# Altium PCB Cart.PcbDoc
Units mil, origin at the board's own origin, x right, y up, seen from the top; angles counter-clockwise.
Board outline 5725 x 3460 mil, 2 copper layers (Top Layer, Bottom Layer); 14 components, 33 nets, 141 pads, 22 vias.
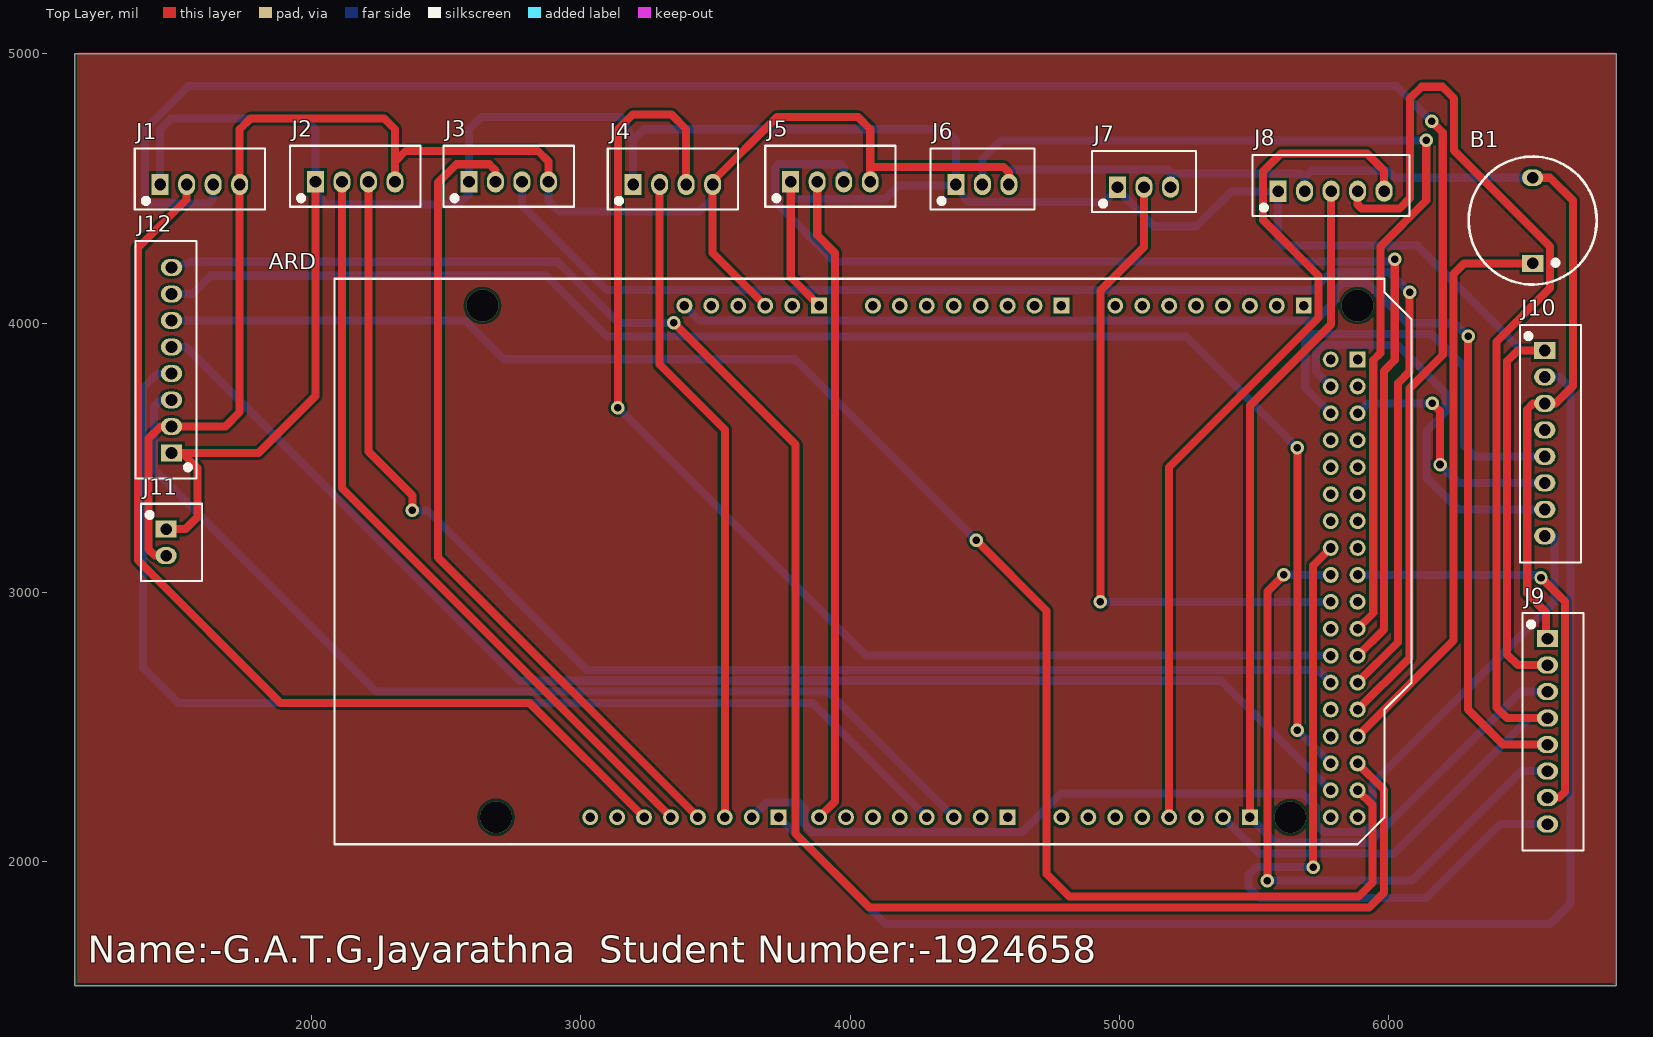
[diagram p0: Top Layer view]
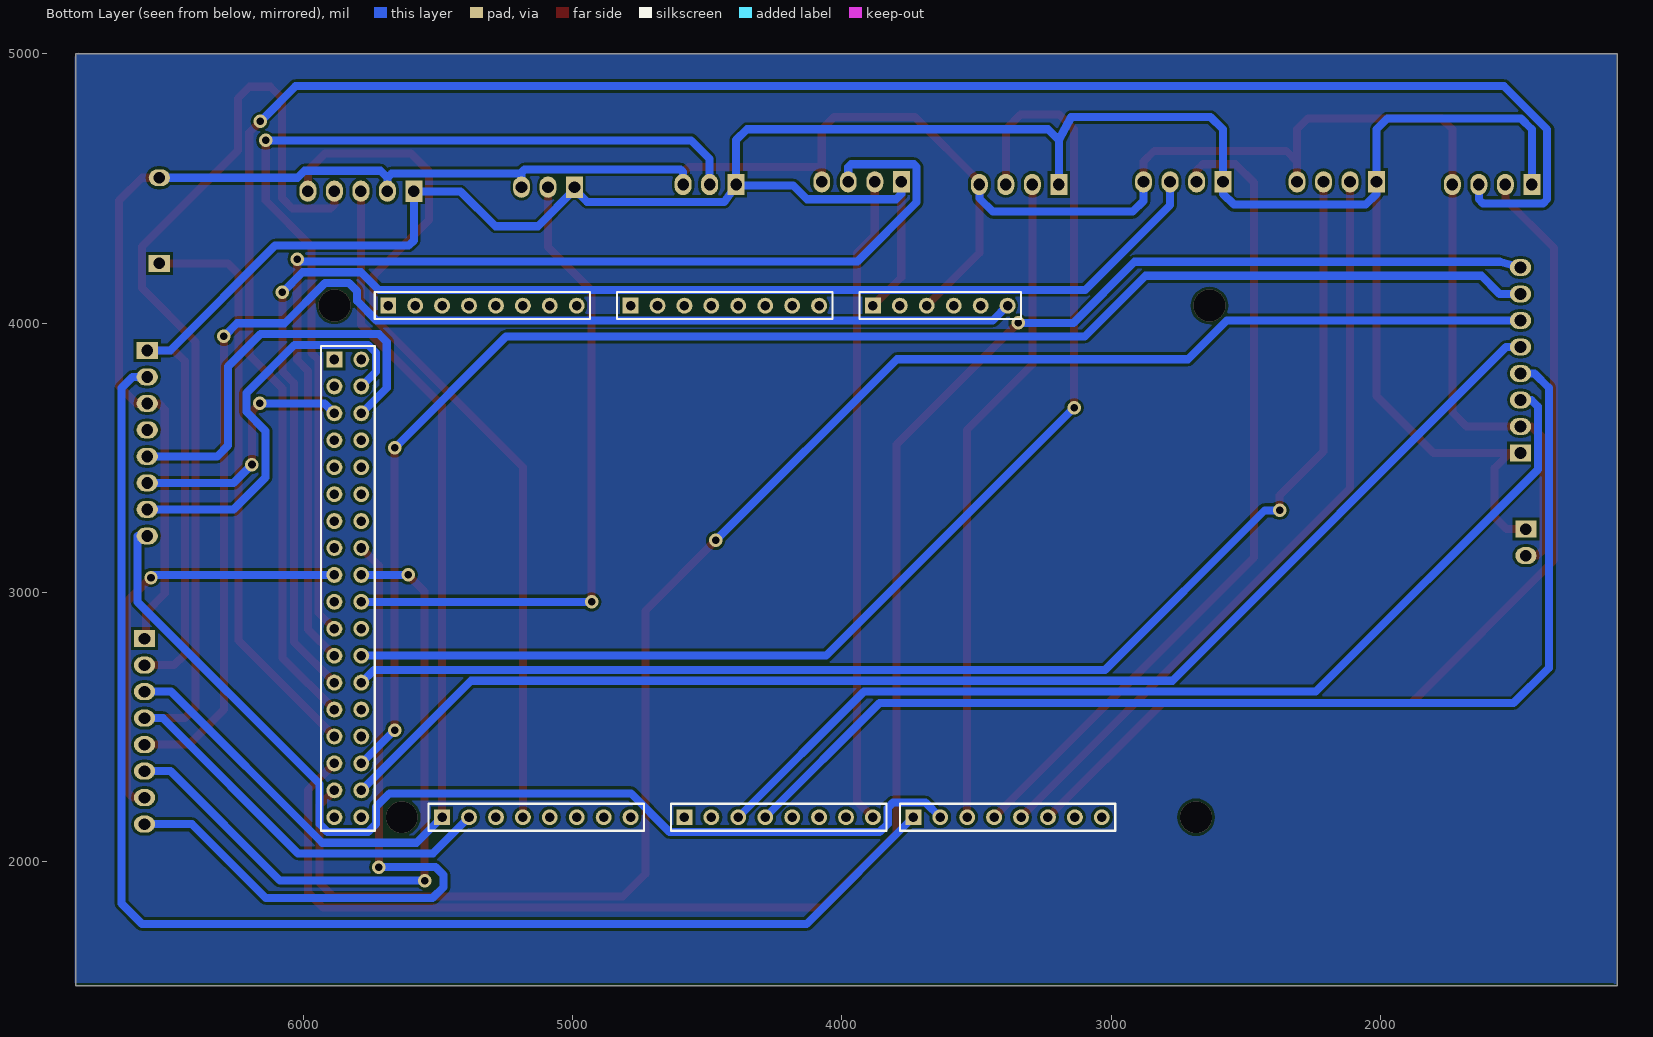
[diagram p1: Bottom Layer view, seen from below]

## Layer stack, top to bottom
Top Solder: solder mask 0.4, Solder Resist, Dk 3.5
Top Layer: signal copper 1.4
Dielectric 1: dielectric 12.6, FR-4, Dk 4.8
Bottom Layer: signal copper 1.4
Bottom Solder: solder mask 0.4, Solder Resist, Dk 3.5

## Board outline
1120,1540 6845,1540 6845,5000 1120,5000

## Design rules (kind name [scope] priority, off if disabled: settings)
Clearance [All] p1: gap=10 ignorepadtopadclearanceinfootprint=FALSE except(0: Arc-Hole Track-Hole SMDPad-Hole THPad-Hole Via-Hole Fill-Hole Poly-Hole Region-Hole Text-Hole)
PolygonConnect [All] p1: connectstyle=Relief reliefconductorwidth=10 reliefentries=4 polygonreliefangle="90 Angle" airgapwidth=10
RoutingVias [All] p1: holewidth=28 width=50 viastyle="Through Hole" minholewidth=28 minwidth=50 maxholewidth=28 maxwidth=50
SolderMaskExpansion [All] p1: expansion=4
Width [All] p1: maxlimit=30 minlimit=10 preferedwidth=30
30 further rules are at their usual default settings.

## Components (designator, comment, footprint, x,y, rotation, side; value= is the part's Value field where it differs from the comment)
ARD "Arduino" Arduino 3985,3065 r180 top
B1 "BUZZER" "new buzzer" 6535,4222.09 r180 top
J1 "US1" JST4 1438.15,4515 r90 top
J2 "US2" JST4 2014.72,4525 r90 top
J3 "US3" JST4 2584.72,4525 r90 top
J4 "US4" JST4 3194.72,4515 r90 top
J5 "US5" JST4 3779.72,4525 r90 top
J6 "PIR1" JST3 4393.15,4515 r90 top
J7 "PIR2" JST3 4993.15,4505 r90 top
J8 "Gyro" JST5 5589.72,4490 r90 top
J9 "OLED" JST8 6590,2828.43 r0 top
J10 "RFID" JST8 6580,3898.7 r0 top
J11 "Battery" JST2 1460,3235 r0 top
J12 "MotorDr" JST8 1480,3517.87 r180 top

## Footprints (in the part's own frame and the unit in brackets; to place one, negate y for a bottom-side part, rotate by r counter-clockwise, add the part's x,y. Pads: shape width x height; smd on the part's side, far side on the other; paste and mask are expansions set on the pad)
Arduino [mm] "Arduino Mega 2560"
  rect 1.5x1.5 hole 0.9: 0(-15.24,22.86) 8(6.35,22.86) 21(-38.1,22.86) 59(2.54,-25.4) 67(-20.32,-25.4) 75(-43.18,-25.4) 79(-48.26,-20.32)
  round 1.5 hole 0.9: 1(-12.7,22.86) 2(-10.16,22.86) 3(-7.62,22.86) 4(-5.08,22.86) 5(-2.54,22.86) 6(0,22.86) 7(2.54,22.86) 9(8.89,22.86) 10(11.43,22.86) 11(13.97,22.86) 12(16.51,22.86) 13(19.05,22.86) 14(-20.32,22.86) 15(-22.86,22.86) 16(-25.4,22.86) 17(-27.94,22.86) 18(-30.48,22.86) 19(-33.02,22.86) 20(-35.56,22.86) 22(-45.72,20.32) 23(-48.26,20.32) 24(-45.72,17.78) 25(-48.26,17.78) 26(-45.72,15.24) 27(-48.26,15.24) 28(-45.72,12.7) 29(-48.26,12.7) 30(-45.72,10.16) 31(-48.26,10.16) 32(-45.72,7.62) 33(-48.26,7.62) 34(-45.72,5.08) 35(-48.26,5.08) 36(-45.72,2.54) 37(-48.26,2.54) 38(-45.72,0) 39(-48.26,0) 40(-45.72,-2.54) 41(-48.26,-2.54) 42(-45.72,-5.08) 43(-48.26,-5.08) 44(-45.72,-7.62) 45(-48.26,-7.62) 46(-45.72,-10.16) 47(-48.26,-10.16) 48(-45.72,-12.7) 49(-48.26,-12.7) 50(-45.72,-15.24) 51(-48.26,-15.24) 52(-45.72,-17.78) 53(-48.26,-17.78) 54(15.24,-25.4) 55(12.7,-25.4) 56(10.16,-25.4) 57(7.62,-25.4) 58(5.08,-25.4) 60(-2.54,-25.4) 61(-5.08,-25.4) 62(-7.62,-25.4) 63(-10.16,-25.4) 64(-12.7,-25.4) 65(-15.24,-25.4) 66(-17.78,-25.4) 68(-25.4,-25.4) 69(-27.94,-25.4) 70(-30.48,-25.4) 71(-33.02,-25.4) 72(-35.56,-25.4) 73(-38.1,-25.4) 74(-40.64,-25.4) 76(21.59,22.86) 77(24.13,22.86) 78(-45.72,-20.32) 80(-48.26,22.86) 81(-45.72,22.86)
  silkscreen extent -53.34,-27.94 48.26,25.4, body extent -53.34,-27.94 54.72,25.4, height 12.71
JST2 [mm]
  rect 2x1.6 hole 1.1: 1(0,0)
  oval 2x1.6 hole 1.1: 2(0,-2.5)
  silkscreen extent -2.35,-4.9 3.4,2.4, body extent -2.37,-5 3.38,2.4, height 7.5
JST3 [mm]
  rect 2x1.6 hole 1.1: 1(0,0)
  oval 2x1.6 hole 1.1: 2(0,-2.5) 3(0,-5)
  silkscreen extent -2.35,-7.4 3.4,2.4, body extent -2.37,-7.5 3.38,2.4, height 7.5
JST4 [mm]
  rect 2x1.6 hole 1.1: 1(0,0)
  oval 2x1.6 hole 1.1: 2(0,-2.5) 3(0,-5) 4(0,-7.5)
  silkscreen extent -2.35,-9.9 3.4,2.4, body extent -2.37,-10 3.38,2.4, height 7.5
JST5 [mm]
  rect 2x1.6 hole 1.1: 1(0,0)
  oval 2x1.6 hole 1.1: 2(0,-2.5) 3(0,-5) 4(0,-7.5) 5(0,-10)
  silkscreen extent -2.35,-12.4 3.4,2.4, body extent -2.37,-12.5 3.38,2.4, height 7.01
JST8 [mm]
  rect 2x1.6 hole 1.1: 1(0,0)
  oval 2x1.6 hole 1.1: 2(0,-2.5) 3(0,-5) 4(0,-7.5) 5(0,-10) 6(0,-12.5) 7(0,-15) 8(0,-17.5)
  silkscreen extent -2.35,-20 3.4,2.4, body extent -2.38,-19.9 3.38,2.5, height 7.5
"new buzzer" [mm]
  rect 2x1.6 hole 1.1: 1(0,0)
  oval 2x1.6 hole 1.1: 2(0,-8.075)
  silkscreen extent -6.04,-10.07 6.04,2, body extent -5.91,-10 5.94,1.85, height 9.6

## Part data
B1: "JST (JAPAN SOLDERLESS TERMINALS) - B8B-XH-A (LF)(SN) - HEADER, VERTICAL, 8WAY", Manufacturer=JST, Manufacturer Part Number=B8B-XH-A(LF)(SN), Supplier Part Number 1=455-2251-ND, ComponentLink1Description=https://www.verical.com/server-webapp/html/getDatasheet?partID=440408&src-supplier=Verical, ComponentLink1URL=https://www.verical.com/server-webapp/html/getDatasheet?partID=440408&src-supplier=Verical, No of Positions=8, Pitch="2.5 mm", Pricing 1="1=0.36, 10=0.341, 100=0.2387, 500=0.2046, 1000=0.1705, 5000=0.1461, 10000=0.1364 (USD)", Stock 1=29643, Style/Orientation="Straight Header/Plug", Supplier 1=Digi-Key, Termination=Crimp, Type="Shrouded Header"
J1 J2 J3 J4 J5: library part "JST 4 PIN", "JST (JAPAN SOLDERLESS TERMINALS) - B8B-XH-A (LF)(SN) - HEADER, VERTICAL, 8WAY", Manufacturer=JST, Manufacturer Part Number=B8B-XH-A(LF)(SN), Supplier Part Number 1=455-2251-ND, ComponentLink1Description=https://www.verical.com/server-webapp/html/getDatasheet?partID=440408&src-supplier=Verical, ComponentLink1URL=https://www.verical.com/server-webapp/html/getDatasheet?partID=440408&src-supplier=Verical, No of Positions=8, Pitch="2.5 mm", Pricing 1="1=0.36, 10=0.341, 100=0.2387, 500=0.2046, 1000=0.1705, 5000=0.1461, 10000=0.1364 (USD)", Stock 1=29643, Style/Orientation="Straight Header/Plug", Supplier 1=Digi-Key, Termination=Crimp, Type="Shrouded Header"
J6 J7: library part "JST 3 PIN", "JST (JAPAN SOLDERLESS TERMINALS) - B8B-XH-A (LF)(SN) - HEADER, VERTICAL, 8WAY", Manufacturer=JST, Manufacturer Part Number=B8B-XH-A(LF)(SN), Supplier Part Number 1=455-2251-ND, ComponentLink1Description=https://www.verical.com/server-webapp/html/getDatasheet?partID=440408&src-supplier=Verical, ComponentLink1URL=https://www.verical.com/server-webapp/html/getDatasheet?partID=440408&src-supplier=Verical, No of Positions=8, Pitch="2.5 mm", Pricing 1="1=0.36, 10=0.341, 100=0.2387, 500=0.2046, 1000=0.1705, 5000=0.1461, 10000=0.1364 (USD)", Stock 1=29643, Style/Orientation="Straight Header/Plug", Supplier 1=Digi-Key, Termination=Crimp, Type="Shrouded Header"
J8: library part "JST 5 PIN", "JST (JAPAN SOLDERLESS TERMINALS) - B8B-XH-A (LF)(SN) - HEADER, VERTICAL, 8WAY", Manufacturer=JST, Manufacturer Part Number=B8B-XH-A(LF)(SN), Supplier Part Number 1=455-2251-ND, ComponentLink1Description=https://www.verical.com/server-webapp/html/getDatasheet?partID=440408&src-supplier=Verical, ComponentLink1URL=https://www.verical.com/server-webapp/html/getDatasheet?partID=440408&src-supplier=Verical, No of Positions=8, Pitch="2.5 mm", Pricing 1="1=0.36, 10=0.341, 100=0.2387, 500=0.2046, 1000=0.1705, 5000=0.1461, 10000=0.1364 (USD)", Stock 1=29643, Style/Orientation="Straight Header/Plug", Supplier 1=Digi-Key, Termination=Crimp, Type="Shrouded Header"
J9 J10 J12: library part "JST 8 PIN", "JST (JAPAN SOLDERLESS TERMINALS) - B8B-XH-A (LF)(SN) - HEADER, VERTICAL, 8WAY", Manufacturer=JST, Manufacturer Part Number=B8B-XH-A(LF)(SN), Supplier Part Number 1=455-2251-ND, ComponentLink1Description=https://www.verical.com/server-webapp/html/getDatasheet?partID=440408&src-supplier=Verical, ComponentLink1URL=https://www.verical.com/server-webapp/html/getDatasheet?partID=440408&src-supplier=Verical, No of Positions=8, Pitch="2.5 mm", Pricing 1="1=0.36, 10=0.341, 100=0.2387, 500=0.2046, 1000=0.1705, 5000=0.1461, 10000=0.1364 (USD)", Stock 1=29643, Style/Orientation="Straight Header/Plug", Supplier 1=Digi-Key, Termination=Crimp, Type="Shrouded Header"
J11: library part "JST 2 PIN", "JST (JAPAN SOLDERLESS TERMINALS) - B8B-XH-A (LF)(SN) - HEADER, VERTICAL, 8WAY", Manufacturer=JST, Manufacturer Part Number=B8B-XH-A(LF)(SN), Supplier Part Number 1=455-2251-ND, ComponentLink1Description=https://www.verical.com/server-webapp/html/getDatasheet?partID=440408&src-supplier=Verical, ComponentLink1URL=https://www.verical.com/server-webapp/html/getDatasheet?partID=440408&src-supplier=Verical, No of Positions=8, Pitch="2.5 mm", Pricing 1="1=0.36, 10=0.341, 100=0.2387, 500=0.2046, 1000=0.1705, 5000=0.1461, 10000=0.1364 (USD)", Stock 1=29643, Style/Orientation="Straight Header/Plug", Supplier 1=Digi-Key, Termination=Crimp, Type="Shrouded Header"

## Via types
v1: diameter 50, hole 28, Top Layer to Bottom Layer, 18 vias
v2: diameter 118.11, hole 118.11, Top Layer to Bottom Layer, 4 vias

## Nets (pads, with @x,y where several pads share a name; then routed paths per layer and width w, separated by ;. In a path a pad name is that pad's centre, name@x,y a point inside that pad or via, vN(x,y) a via of type N, cw(c..) or ccw(c..) an arc to the next point about the centre after c; other vN are vias at no path point)
5V: ARD.59 J1.1 J2.1 J3.1 J4.1 J5.1 J6.1 J7.1 J8.1 J9.2 J10.1 J11.1 J12.1 | length 11278.1
  Top Layer w30: J11.1 1531.5,3235 1576.5,3280 1576.5,3461.38 1520,3517.87 ; J12.1 1520,3517.87 ; J2.1 2014.72,3729.6 1803,3517.87 1520,3517.87 ; J5.1 3779.72,4170.28 ARD.59 ; J10.1 6480,3898.7 6440,3858.7 6440,2770 6480,2730 J9.2
  Bottom Layer w30: J1.1 1438.15,4720 1478.15,4760 1974.72,4760 2014.72,4720 J2.1 2014.72,4480 2054.72,4440 2544.72,4440 2584.72,4480 J3.1 2584.72,4720 2630.72,4766 3148.72,4766 3194.72,4680 ; J4.1 3194.72,4680 ; J5.1 3779.72,4480 3799.72,4460 4130,4460 4181,4511 J6.1@4393.15,4511 ; J8.1 J8.1@5589.72,4489 ; J10.1 6494.3,3898.7 6105,4288 5609,4288 5589.72,4307.28 J8.1@5589.72,4489 ; 3194.72,4680 3234.72,4720 4353.15,4720 4393.15,4680 J6.1 J6.1@4393.15,4511 ; J6.1@4393.15,4511 4437,4450 4946.15,4450 J7.1@4992.65,4496.5 ; J7.1@4992.65,4496.5 4993.15,4497 J7.1 J7.1@4992.65,4496.5 ; J7.1@4992.65,4496.5 5129.15,4360 5287.15,4360 5416.15,4489 J8.1@5589.72,4489
BUTTON1: ARD.38 J9.6 | length 2542.6
  Top Layer w30: v1(5550,1930) 5550,3004 v1(5611,3065)
  Bottom Layer w30: v1(5550,1930) 6087.7,1930 6494,2336.3 J9.6 ; v1(5611,3065) ARD.38
BUTTON2: ARD.39 J9.7 | length 1591.2
  Top Layer w30: v1(6566,3055) 6655,2966 6655,2260 6632.87,2237.87 J9.7
  Bottom Layer w30: ARD.39 6556,3065 v1(6566,3055)
BUTTON3: ARD.40 J9.8 | length 2749.9
  Top Layer w30: v1(5720,1980) 5720,3100 ARD.40
  Bottom Layer w30: v1(5720,1980) 5509.53,1980 5480,1950.47 5480,1905 5520,1865 6140,1865 6414.45,2139.45 J9.8
Buzzer: ARD.27 B1.1 | length 2175.7
  Top Layer w30: ARD.27 6241,2821 6241,4183.09 6280,4222.09 B1.1
Echo1: ARD.29 J1.3 | length 7812.5
  Top Layer w30: ARD.29 6077,2757 6077,3757.43 6201,3881.43 6201,4708 v1(6160,4749)
  Bottom Layer w30: J1.3 1635,4460 1620,4445 1396,4445 1381,4460 1381,4719.42 1541.58,4880 6029,4880 v1(6160,4749)
Echo2: ARD.30 J2.3 | length 4962.8
  Top Layer w30: J2.3 2211.57,3523.43 2375,3360 v1(2375,3305)
  Bottom Layer w30: v1(2375,3305) 2430,3305 3023,2712 5738,2712 ARD.30
Echo3: ARD.31 J3.3 | length 5101.3
  Top Layer w30: ARD.31 6035,2815 6035,3777 6078,3820 v1(6078,4114)
  Bottom Layer w30: J3.3 2781.57,4438 3096.57,4123 5720,4123 5786.06,4189.06 6002.94,4189.06 v1(6078,4114)
Echo4: ARD.32 J4.3 | length 4566.7
  Top Layer w30: v1(3138,3685.81) 3138,4720 3193,4775 3336.57,4775 3391.57,4720 J4.3
  Bottom Layer w30: v1(3138,3685.81) 4058.81,2765 ARD.32
Echo5: ARD.33 J5.3 | length 4372.8
  Top Layer w30: ARD.33 5982.92,2862.92 5982.92,3822.92 6023,3863 v1(6023,4238)
  Bottom Layer w30: J5.3 3976.57,4580 3966.57,4590 3733,4590 3723,4580 3723,4449 3942.94,4229.06 6014.06,4229.06 v1(6023,4238)
EN1: ARD.2 J12.3 | length 3813.2
  Bottom Layer w30: J12.3 1440,3714.72 1415,3689.72 1415,3457 2240.54,2631.46 3918.54,2631.46 ARD.2
EN2: ARD.3 J12.4 | length 4306.9
  Bottom Layer w30: J12.4 1428.15,3813.15 1375,3760 1375,2720 1506,2589 3861,2589 ARD.3
GND: ARD.57 B1.2 J1.4 J2.4 J3.4 J4.4 J5.4 J6.3 J7.3 J8.2 J9.1 J10.3 J11.2 J12.2 | length 10281.8
  Top Layer w30: J11.2 1418.43,3136.57 1395,3160 1395,3571.3 1440,3616.3 J12.2 1680,3616.3 1733.43,3669.72 J1.4 1733.43,4720 1773.43,4760 2270,4760 2310,4720 2310,4600 ; J2.4 2310,4600 ; J3.4 2880,4600 2840,4640 2350,4640 2310,4600 ; ARD.57 3490,4260 J4.4 3490,4527 3729,4766 4029,4766 4075,4720 4075,4570 ; J5.4 4075,4570 ; J6.3 4590,4560 4570,4580 4085,4580 4075,4570 ; B1.2 6600,4540 6684.37,4455.63 6684.37,3766.22 6620,3701.85 J10.3 6536.85,3701.85 6515,3680 6515,2996 6585,2926 6585,2828.43 J9.1
  Bottom Layer w30: J3.4 2880,4454 2920,4414 3440,4414 3490,4464 J4.4 ; J6.3 4590,4561 4600,4571 5179,4571 5190,4560 5190,4545 ; J7.3 5190,4545 ; J8.2 5688.15,4540 ; B1.2 6022,4540 5996,4566 5714.15,4566 5688.15,4540 ; 5190,4545 5200,4555 5673.15,4555 5688.15,4540
Gyro: ARD.18 J8.5 | length 3294.7
  Top Layer w30: ARD.18 5185,3465 5740,4020 5740,4176 5533,4383 5533,4563 5600,4630 5920,4630 5983.43,4566.57 J8.5
IN1: ARD.22 J12.5 | length 4987
  Bottom Layer w30: J12.5 1533.43,3911.57 2773,2672 5378,2672 ARD.22
IN2: ARD.23 J12.6 | length 6305.2
  Top Layer w30: v1(4469,3193) 4730,2932 4730,1955 4814,1871 5889,1871 5940,1922 5940,2210 ARD.23
  Bottom Layer w30: J12.6 2571,4010 2715,3866 3796,3866 v1(4469,3193)
IN3: ARD.24 J12.7 | length 5697
  Top Layer w30: v1(5661,2489) v1(5661,3537)
  Bottom Layer w30: J12.7 1558,4108.42 1625.58,4176 2873.22,4176 3098.22,3951 5247,3951 v1(5661,3537) ; v1(5661,2489) ARD.24
IN4: ARD.25 J12.8 | length 6889
  Top Layer w30: v1(3346,4001) 3798,3549 3798,2104 4072,1830 5928,1830 5983,1885 5983,2267 ARD.25
  Bottom Layer w30: J12.8 1557.15,4228 2913,4228 3140,4001 v1(3346,4001)
MISO: ARD.50 J10.5 | length 1566.7
  Bottom Layer w30: ARD.50 5690.47,3759.53 5690.47,3930 5720,3959.53 6160,3959.53 6280,3839.53 6280,3545 6320,3505 J10.5
MOSI: ARD.51 J10.6 | length 948.7
  Top Layer w30: v1(6162,3702) 6191,3673 v1(6191,3475)
  Bottom Layer w30: ARD.51 5922,3702 v1(6162,3702) ; v1(6191,3475) 6259.42,3406.58 J10.6
PIR1: ARD.35 J6.2 | length 3692
  Top Layer w30: ARD.35 5942.92,2922.92 5942.92,3862.13 5970,3889.21 5970,4285 6140,4455 v1(6140,4679)
  Bottom Layer w30: J6.2 4491.57,4610.57 4560,4679 v1(6140,4679)
PIR2: ARD.36 J7.2 | length 2461.9
  Top Layer w30: v1(4930,2965) 4930,4121 5091.57,4282.57 J7.2
  Bottom Layer w30: v1(4930,2965) ARD.36
RESET: ARD.54 J9.5 | length 4829.1
  Top Layer w30: v1(6295,3951) 6295,2565 6425.28,2434.72 J9.5
  Bottom Layer w30: ARD.54 3440,4010 5728,4010 5801,4083 5801,4120 5830.06,4149.06 5920,4149.06 6069.53,3999.53 6246.47,3999.53 v1(6295,3951)
RF_RST: ARD.8 J10.2 | length 5163.6
  Bottom Layer w30: ARD.8 4131,1769 6600,1769 6676,1845 6676,3759 6634.72,3800.28 J10.2
RF_SDA: ARD.9 J10.8 | length 3962.8
  Bottom Layer w30: ARD.9 3690,2220 3810,2220 3830,2200 3830,2140 3860,2110 4640,2110 4784,2254 5680,2254 5730,2204 5730,2140 5759.53,2110.47 5910,2110.47 5939.53,2140 5939.53,2288.53 6616,2965 6616,3209.72 J10.8
SCK: ARD.52 J10.7 | length 1546.3
  Bottom Layer w30: ARD.52 5730.47,3819.53 5730.47,3890 5760,3919.53 6032.47,3919.53 6212,3740 6212,3671 6141,3600 6141,3427 6259.85,3308.15 J10.7
SCL: ARD.21 J8.3 J9.3 | length 3826.5
  Top Layer w30: ARD.21 5485,3693.67 5786.57,3995.25 J8.3
  Bottom Layer w30: ARD.21 5579.53,2070.47 5930,2070.47 6491.1,2631.57 J9.3
SDA: ARD.20 J8.4 J9.4 | length 5004.5
  Top Layer w30: J8.4 5885,4440 5900,4425 6040,4425 6080,4465 6080,4835 6123,4878 6200,4878 6243,4835 6243,4641 6600,4284 6600,4130 6400,3930 6400,2573.15 6440,2533.15 J9.4
  Bottom Layer w30: ARD.20 5519.53,2030.47 6019.53,2030.47 6522.21,2533.15 J9.4
Trig1: ARD.13 J1.2 | length 3745.8
  Top Layer w30: J1.2 1536.57,4460 1355,4278.43 1355,3120 1885,2590 2810,2590 ARD.13
Trig2: ARD.12 J2.2 | length 2866.1
  Top Layer w30: J2.2 2113.15,3386.85 ARD.12
Trig3: ARD.11 J3.2 | length 3049.5
  Top Layer w30: J3.2 2683.15,4566.85 2660,4590 2538,4590 2470,4522 2470,3130 ARD.11
Trig4: ARD.10 J4.2 | length 2450.2
  Top Layer w30: J4.2 3293.15,3845.85 3535,3604 ARD.10
Trig5: ARD.7 J5.2 | length 2411.7
  Top Layer w30: J5.2 3878.15,4327 3944,4261.15 3944,2224 ARD.7
pads on no net: ARD.0 ARD.1 ARD.4 ARD.5 ARD.6 ARD.14 ARD.15 ARD.16 ARD.17 ARD.19 ARD.26 ARD.28 ARD.34 ARD.37 ARD.41 ARD.42 ARD.43 ARD.44 ARD.45 ARD.46 ARD.47 ARD.48 ARD.49 ARD.53 ARD.55 ARD.56 ARD.58 ARD.60 ARD.61 ARD.62 ARD.63 ARD.64 ARD.65 ARD.66 ARD.67 ARD.68 ARD.69 ARD.70 ARD.71 ARD.72 ARD.73 ARD.74 ARD.75 ARD.76 ARD.77 ARD.78 ARD.79 ARD.80 ARD.81 J10.4
copper on no net:
  other v2: 2685,2165 5635,2165 2635,4065 5885,4065

## Polygon pours and split planes (outlines as drawn)
no net on Top Layer "Top Layer-No Net" (solid, pour order 0): 1130,5000 1135,5005 6840,5005 6840,1540 6830,1550 1130,1550
no net on Bottom Layer "Bottom Layer-No Net" (solid, pour order 2): 1125,5000 6830,5000 6835,5005 6850,4990 6850,1550 1135,1550 1125,1540

## Silkscreen, mask and mechanical layers (free items; w line width, h text height)
Top Overlay:
  text "Name:-G.A.T.G.Jayarathna  Student Number:-1924658" at 1170,1625 h100